# Altium PCB 400432.PcbDoc (part 4 of 6)
Units mil, origin at the board's own origin, x right, y up, seen from the top; angles counter-clockwise.
Board outline 5375 x 2500 mil, 4 copper layers (Top Layer, Mid-Layer 1, Mid-Layer 2, Bottom Layer), stack 59.252 mil thick; 366 components, 253 nets, 1494 pads, 1929 vias.
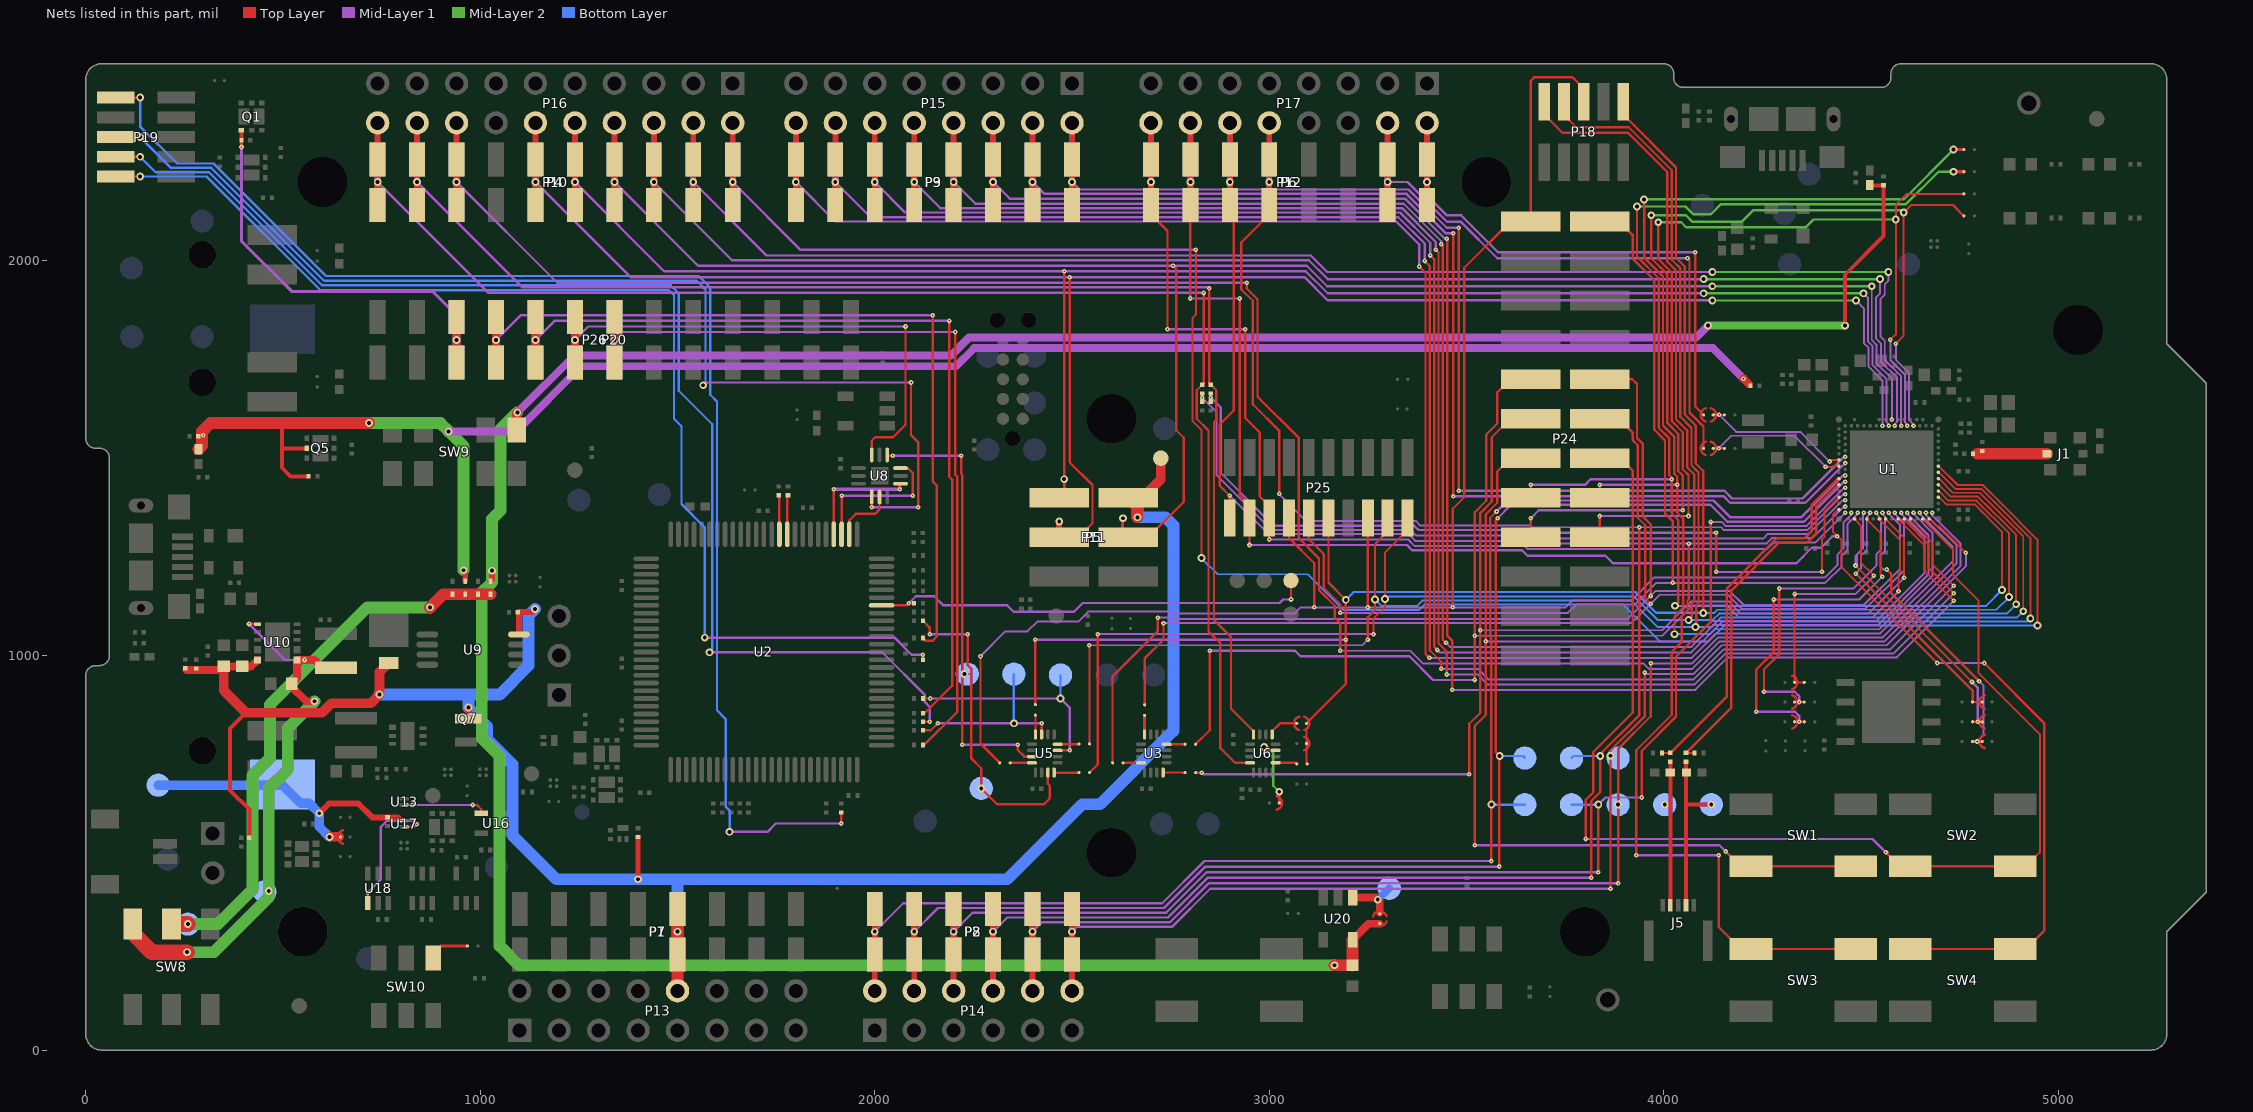
[diagram p6: the nets of this part, all layers, seen from the top]

## Via types
v1: diameter 19.68, hole 9.84, Top Layer to Bottom Layer, tented both sides, 1445 vias
v2: diameter 11.81, hole 3.94, Top Layer to Mid-Layer 1, tented top, 456 vias
v3: diameter 24, hole 12, Top Layer to Bottom Layer, tented both sides, 28 vias

## Nets (pads, with @x,y where several pads share a name; then routed paths per layer and width w, separated by ;. In a path a pad name is that pad's centre, name@x,y a point inside that pad or via, vN(x,y) a via of type N, cw(c..) or ccw(c..) an arc to the next point about the centre after c; other vN are vias at no path point) (continued)
NetSB42_1: SB42.1 U6.1 | length 54.7
  Top Layer w6: U6.1@3016.15,728 3063.03,728 3067.03,728 SB42.1@3069.7,725.33
NetSB45_1: SB45.1 U6.5 | length 79
  Top Layer w6: U6.5@3007.29,799.85 3007.29,808.29 3027,828 3062.83,828 SB45.1@3069.7,828
NetSB46_1: SB46.1 U6.3 | length 195.2
  Top Layer w6: v1(2987,768) 2995.5,759.5 U6.3@3016.15,759.5 ; SB46.1@3025.3,626 3025.3,639.9 v1(3025.3,654.7)
  Mid-Layer 2 w6: v1(2987,768) 2995,768 3000,763 3010,753 3010,670 v1(3025.3,654.7)
NetSB50_2: SB50.2 U3.16 | length 55.9
  Top Layer w6: U3.16@2730.96,703.39 2786.31,703.39 SB50.2@2786.7,703
NetSB51_2: SB51.2 U3.4 | length 47
  Top Layer w6: U3.4@2739.81,775.24 2740.06,775 SB51.2@2786.7,775
NetSB52_2: SB52.2 U3.8 | length 46.9
  Top Layer w8: U3.8@2683.71,799.85 SB52.2@2683.71,846.71
NetSB53_2: SB53.2 U3.12 | length 45.6
  Top Layer w6: SB53.2@2629.3,728 U3.12@2674.85,728
NetSB54_2: SB54.2 U5.16 | length 63.2
  Top Layer w6: U5.16@2454.62,703.39 2455.02,703 SB54.2@2517.7,703
NetSB55_2: SB55.2 U5.4 | length 54.5
  Top Layer w6: U5.4@2463.48,775.24 2516.94,775.24 SB55.2@2517.7,776
NetSB56_2: SB56.2 U5.8 | length 49
  Top Layer w6: SB56.2@2407,848.7 2407.38,848.32 U5.8@2407.38,799.85
NetSB57_2: SB57.2 U5.12 | length 55.2
  Top Layer w6: SB57.2@2343.3,728 U5.12@2398.52,728
NetSB58_2: SB58.2 SW10.1 | length 106.2
  Top Layer w8: SW10.1@880.9,232.83 880.9,243.9 901,264 SB58.2@967.7,264
NetU13_B2: U13.B2 U16.4 | length 211.2
  Top Layer w6: U13.B2@814.87,621.13 v2(828.13,621.13) ; v2(981,621.13) 991.87,621.13 1002.6,610.4 U16.4@1002.6,600.59 U16.4@993.41,600.59
  Mid-Layer 1 w6: v2(828.13,621.13) v2(981,621.13)
NFC1: C43.1 J5.2 R43.1 TP17.1 | length 378.9
  Top Layer w9.84: v1(4002.22,622) 4014.68,622 4016.68,620 ; J5.2@4016.68,367.25 4016.68,620 ; R43.1@4016.63,730.83 4016.68,620
NFC2: C44.2 J5.4 R46.1 TP18.1 | length 428.9
  Top Layer w9.84: J5.4@4056.05,367.25 4056.05,620 ; R46.1@4056.05,731 4056.05,620 ; v1(4120.33,622) 4058.05,622 4056.05,620
P0.00: P6.1 P12.1 P17.2 SB3.2 | length 1516.9
  Top Layer w6: v2(4079.7,2021.7) 4079.7,1631 4094.84,1615.86 SB3.2@4100.7,1610
  Top Layer w15: P6.1@3400,2142.32 v1(3400,2200) P6.1@3400,2257.68 P17.2@3400,2350
  Mid-Layer 1 w6: v1(3400,2200) 3400,2166 3450.5,2115.5 3486.5,2115.5 3580.3,2021.7 v2(4079.7,2021.7)
  Bottom Layer w15: P12.1@3400,2142.32 v1(3400,2200) P12.1@3400,2257.68
P0.00/XL1: SB1.2 SB3.1 U1.N1 | length 383.1
  Top Layer w4.92: SB3.1@4125.3,1610 4132.17,1610 v2(4140,1610) SB1.2@4153.7,1610 ; v2(4421,1491.62) 4425,1495.62 U1.N1@4444,1495.62
  Mid-Layer 1 w4.92: v2(4140,1610) 4183,1567 4345.62,1567 v2(4421,1491.62)
P0.01: P6.2 P12.2 P17.4 SB4.2 | length 1661.8
  Top Layer w6: v2(4060,2007) 4065,2002 4065,1616 4100.7,1580.3 4100.7,1538.9 SB4.2@4100.7,1525
  Top Layer w15: P6.2@3300,2142.32 v1(3300,2200) P6.2@3300,2257.68 P17.4@3300,2350
  Mid-Layer 1 w6: v1(3300,2200) 3350,2200 3451,2099 3486,2099 3578,2007 v2(4060,2007)
  Bottom Layer w15: P12.2@3300,2142.32 v1(3300,2200) P12.2@3300,2257.68
P0.01/XL2: SB2.2 SB4.1 U1.R1 | length 380.2
  Top Layer w4.92: v2(4410,1478) 4427,1478 4428.87,1479.87 U1.R1@4444,1479.87
  Top Layer w6: SB4.1@4125.3,1525 4132.17,1525 v2(4139,1525) SB2.2@4153.7,1525
  Mid-Layer 1 w4.92: v2(4139,1525) 4171,1557 4331,1557 v2(4410,1478)
P0.02/NFC1: R42.2 R43.2 U1.W1 | length 1124.4
  Top Layer w5: R42.2@3995.22,753 R43.2@4016.35,753
  Top Layer w6.5: R43.2@4016.35,753 R43.2@4016.63,753.28 4159.58,896.23 4159.58,1169.73 4287.35,1297.49 4357.68,1297.49 ; 4357.68,1297.49 4374.71,1314.52 ; 4357.68,1297.49 4374.71,1314.52 ; 4374.71,1314.52 4374.71,1381.55 ; 4374.71,1314.52 4374.71,1381.55 ; 4374.71,1381.55 U1.W1@4441.53,1448.38 ; 4374.71,1381.55 U1.W1@4441.53,1448.38 ; U1.W1@4441.53,1448.38 U1.W1@4444,1448.38 U1.W1@4441.53,1448.38
P0.03/NFC2: R45.2 R46.2 U1.AA1 | length 1085.4
  Top Layer w6: R46.2@4056.37,753.28 4056.64,753 R45.2@4077.78,753
  Top Layer w6.5: R46.2@4056.37,753.28 4171,867.91 4171,1165 4292.08,1286.08 4362.41,1286.08 ; 4362.41,1286.08 4386.13,1309.8 ; 4362.41,1286.08 4386.13,1309.8 ; 4386.13,1309.8 4386.13,1376.82 ; 4386.13,1309.8 4386.13,1376.82 ; 4386.13,1376.82 U1.AA1@4441.93,1432.63 ; 4386.13,1376.82 U1.AA1@4441.93,1432.63 ; U1.AA1@4441.93,1432.63 U1.AA1@4444,1432.63 U1.AA1@4441.93,1432.63
P0.04/AIN0: P2.1 P8.1 P14.2 TP42.1 U1.V2 | length 3919.4
  Top Layer w6: v2(3563,479) v1(3563,622) 3563,1043 3560,1046 3560,1349 v2(3576,1365)
  Top Layer w15: P14.2@2000,150 P2.1@2000,242.32 v1(2000,300) P2.1@2000,357.68
  Mid-Layer 1 w6: v1(2000,300) 2072,372 2728.46,372 2835.46,479 v2(3563,479) ; v2(3576,1365) 3604,1393 4126,1393 4169,1350 4348,1350 4454.25,1456.25 v2(4459.75,1456.25)
  Bottom Layer w6: v1(3563,622) TP42.1@3647.89,622
  Bottom Layer w15: P8.1@2000,242.32 v1(2000,300) P8.1@2000,381
P0.05/AIN1: P2.2 P8.2 P14.4 TP43.1 U1.Y2 | length 3786.4
  Top Layer w6: v2(3579,1348) 3574,1343 3574,755 v1(3583.89,745.11) ; v2(3583,465) v1@3583,744.22
  Top Layer w15: P14.4@2100,150 P2.2@2100,242.32 v1(2100,300) P2.2@2100,357.68
  Mid-Layer 1 w6: v1(2100,300) 2160,360 2733.43,360 2838.43,465 v2(3583,465) ; v2@3576,1348 v2(3579,1348) 3613,1382 4118,1382 4161,1339 4355,1339 4456.5,1440.5 v2(4459.75,1440.5)
  Bottom Layer w6: v1(3583.89,745.11) 3642.89,745.11 TP43.1@3647.89,740.11
  Bottom Layer w15: P8.2@2100,242.32 v1(2100,300) P8.2@2100,357.68
P0.06/AIN2: P2.3 P8.3 P14.6 TP44.1 U1.AB2 | length 3532.4
  Top Layer w6: v2(3834,451) v1(3834,622) ; v2(3944,640) 3944,758 4031,845 4031,997 4118.56,1084.56 v2(4118.56,1338.44)
  Top Layer w15: P14.6@2200,150 P2.3@2200,242.32 v1(2200,300) P2.3@2200,357.68
  Mid-Layer 1 w4.92: v2(4118.56,1338.44) 4146.56,1338.44 4157,1328 4361,1328 4457.76,1424.76 v2(4459.75,1424.76)
  Mid-Layer 1 w6: v1(2200,300) 2248,348 2738.4,348 2841.4,451 v2(3834,451) ; v1(3834,622) 3852,640 v2(3944,640)
  Bottom Layer w6: TP44.1@3766,622 v1(3834,622)
  Bottom Layer w15: P8.3@2200,242.32 v1(2200,300) P8.3@2200,357.68
P0.07/AIN3: P2.4 P6.5 P8.4 P12.5 P14.8 P17.10 TP45.1 U1.AD2 | length 5616
  Top Layer w6: P6.5@3000,2150 P6.5@3000,2142.32 3000,2118 2929,2047 2929,1928 2958,1899 2958,1637 3025,1570 v2(3025,1410) ; v2(3816,437) 3816,631 3838.89,653.89 v1(3838.89,745.11) ; v1@3836.5,747.5 3938,849 v2(3938,1325)
  Top Layer w15: P14.8@2300,150 P2.4@2300,242.32 v1(2300,300) P2.4@2300,357.68 ; P6.5@3000,2150 v1(3000,2200) P6.5@3000,2257.68 P17.10@3000,2350
  Mid-Layer 1 w4.92: v2(3025,1410) 3025,1409 3093,1341 3371,1341 3383,1329 3662.5,1329 3666.5,1325 v2(3938,1325) 4145.17,1325 4152.17,1318 4363.87,1318 4454.88,1409.01 4416,1370.13
  Mid-Layer 1 w6: v1(2300,300) 2336,336 2743.37,336 2844.37,437 v2(3816,437)
  Bottom Layer w6: TP45.1@3766,740.11 3771,745.11 v1(3838.89,745.11)
  Bottom Layer w15: P8.4@2300,242.32 v1(2300,300) P8.4@2300,380 ; P12.5@3000,2142.32 v1(3000,2200) P12.5@3000,2257.68
  other v2: 4459.75,1409.01
P0.08/TRACEDATA3: P6.6 P12.6 P17.12 P25.20 SW3.2 U1.AH2 | length 4402.2
  Top Layer w6: P25.20@2900,1348.23 v2(2900,1405) 2874,1431 2874,1585 2910,1621 2910,2144 P6.6@2900,2154 ; v2(3930,494) 3930,760 4020,850 4020,1009 4045,1034 4045,1099 4060,1114 4060,1139 4063,1142 v2(4063,1283.61) ; v2(4139,494) 4139,312 4195.03,255.97 SW3.2@4220.7,255.97 SW3.2@4486.45,255.97
  Top Layer w15: P6.6@2900,2154 v1(2900,2200) P6.6@2900,2257.68 P17.12@2900,2350
  Mid-Layer 1 w4.92: v2(2900,1405) 2997,1308 3352,1308 3369.39,1290.61 3648,1290.61 3655,1283.61 v2(4063,1283.61) 4259.61,1283.61 4273.49,1297.49 4375.79,1297.49 4455.81,1377.51 v2(4459.75,1377.51)
  Mid-Layer 1 w6: v2(3930,494) v2(4139,494)
  Bottom Layer w15: P12.6@2900,2142.32 v1(2900,2200) P12.6@2900,2257.68
P0.09/TRACEDATA2: P6.7 P12.7 P17.14 P25.18 SW4.2 U1.AJ1 | length 4628.6
  Top Layer w4.92: v2@2950,1282 P25.18@2950,1348.23 ; v2(4693,981) 4450.4,1223.6 4450.4,1291.6 v2(4440,1302) 4428.25,1313.75 4428.25,1357.11 ; 4428.25,1357.11 U1.AJ1@4440.78,1369.64 ; 4428.25,1357.11 U1.AJ1@4440.78,1369.64 ; U1.AJ1@4440.78,1369.64 U1.AJ1@4444,1369.64 U1.AJ1@4440.78,1369.64
  Top Layer w6: v2(2800,1905) P6.7@2800,2142.32 ; v2(2925,1905) 2925,1407 2950,1382 P25.18@2950,1348.23 ; SW4.2@4599.03,255.97 SW4.2@4624.7,255.97 SW4.2@4890.45,255.97 4917.97,255.97 4964,302 4964,829 v2(4812,981)
  Top Layer w15: P6.7@2800,2142.32 v1(2800,2200) P6.7@2800,2257.68 P17.14@2800,2350
  Mid-Layer 1 w4.92: v2(4693,981) v2(4812,981)
  Mid-Layer 1 w6: v2(2800,1905) v2(2925,1905) ; v2(2950,1280) 3349,1280 3362.5,1266.5 3641,1266.5 3654.5,1253 3852,1253 3871,1234 4336,1234 4375,1273 4398,1273 4427,1302 v2(4440,1302)
  Bottom Layer w15: P12.7@2800,2142.32 v1(2800,2200) P12.7@2800,2257.68
P0.10/TRACEDATA1: P6.8 P12.8 P17.16 P25.16 U1.AK2 | length 2918.7
  Top Layer w6: P6.8@2700,2142.32 2700,2118 2742,2076 v2(2742,1827) ; v2(2939,1827) 2939,1602 2976,1565 2976,1403 3000,1379 P25.16@3000,1348.23 v2(3000,1294)
  Top Layer w15: P6.8@2700,2142.32 v1(2700,2200) P6.8@2700,2257.68 P17.16@2700,2350
  Mid-Layer 1 w4.92: v2(3000,1294) 3352,1294 3369,1277 3647,1277 3654,1270 4262,1270 4278.08,1286.08 4384.06,1286.08 v2(4459.75,1361.76)
  Mid-Layer 1 w6: v2(2742,1827) v2(2939,1827)
  Bottom Layer w15: P12.8@2700,2142.32 v1(2700,2200) P12.8@2700,2257.68
P0.11/TRACEDATA0: P18.6 P24.1 P25.6 P25.14 SB57.1 U1.AK4 | length 4867.3
  Top Layer w6: v2(2268,998) 2268,776.7 2310.84,733.86 SB57.1@2316.7,728 ; P25.14@3050,1348.23 3050,1298 3114,1234 v2(3114,1122) ; v2(3250,1122) P25.6@3250,1348.23 ; v2(3465,1122) 3465,1372 3494,1401 3494,1983 3611,2100 P24.1@3712,2100 ; P24.1@3662.5,2100 3662.5,2456.5 3672,2466 3768,2466 3797,2437 P18.6@3797,2403.77
  Mid-Layer 1 w4.92: v2(2268,998) 2331,1061 2387,1061 2412,1086 2516,1086 2541,1111 2755,1111 2759,1107 3065,1107 3080,1122 v2(3114,1122) v2(3250,1122) v2(3465,1122) 3751,1122 3768,1139 3917,1139 3976,1198 4409,1198 4440.56,1229.56 4440.56,1256.58 4455.32,1271.34 4455.32,1336.72 4475.5,1356.89 v2(4475.5,1361.76)
P0.12/TRACECLK: P24.2 P25.12 U1.AK6 | length 2767.5
  Top Layer w6: P25.12@3100,1348.23 3100,1295 3138,1257 3138,1171 3180,1129 v2(3180,1108) ; P24.2@3837.5,2100 3887,2100 3921,2066 3921,2006 3976,1951 3976,1572 4003,1545 4003,1360 4023,1340 v2(4023,1184)
  Mid-Layer 1 w4.92: v2(3180,1108) 3757,1108 3778,1129 3926,1129 3981,1184 v2(4023,1184) 4409,1184 4450.4,1225.4 4450.4,1252.5 4465.16,1267.27 4465.16,1332.64 4491.24,1358.72 v2(4491.24,1361.76)
P0.13/QSPI0: SB12.1 SB22.1 U1.AL5 | length 646.6
  Top Layer w4.92: SB22.1@4331.6,932 4331.6,945.9 v2@4331.6,1156 ; 4338.47,932 SB12.1@4356,932 ; v2@4531.5,1201 4531.5,1203 4499.61,1234.89 4499.61,1328.82 ; 4493.72,1334.71 4483.37,1345.06 4493.72,1334.71 ; 4493.72,1334.71 4499.61,1328.82 ; 4493.72,1334.71 4499.61,1328.82
  Mid-Layer 1 w4.92: v2(4332,1156) 4486.5,1156 v2@4531.5,1201
  other v2: 4532.5,1202
P0.14/QSPI1: SB14.1 SB24.1 U1.AK8 | length 833.2
  Top Layer w4.92: v2(4486,1228) v2(4781,933)
  Top Layer w6: SB14.1@4782.6,832 v2(4796,832) 4800.13,832 SB24.1@4807,832
  Mid-Layer 1 w4.92: v2(4486,1228) 4486,1252.81 4504.53,1271.34 ; v2@4489.77,1226.92 4489.77,1256.58 4504.53,1271.34 ; 4504.53,1271.34 v2@4504.53,1359.3 ; 4504.53,1271.34 v2@4504.53,1359.3 ; v2@4504.53,1359.3 v2(4506.99,1361.76) v2@4504.53,1359.3
  Mid-Layer 1 w6: v2(4781,933) 4796,918 v2(4796,832)
P0.15/QSPI2: SB15.1 SB25.1 U1.AK10 | length 786.2
  Top Layer w6: v2(4486.61,1207.61) 4782.6,911.62 SB15.1@4782.6,882 4800.13,882 SB25.1@4807,882
  Mid-Layer 1 w4.92: v2(4486.61,1207.61) 4499.61,1220.61 4499.61,1252.5 ; 4499.61,1226.92 4499.61,1252.5 ; 4499.61,1252.5 4514.38,1267.27 ; 4499.61,1252.5 4514.38,1267.27 ; 4514.38,1267.27 4514.38,1350.36 ; 4514.38,1267.27 4514.38,1350.36 ; 4514.38,1350.36 4520.28,1356.26 ; 4514.38,1350.36 4520.28,1356.26 ; 4520.28,1356.26 v2@4520.28,1359.3 ; 4520.28,1356.26 v2@4520.28,1359.3 ; v2@4520.28,1359.3 v2(4522.74,1361.76) v2@4520.28,1359.3
P0.16/QSPI3: SB10.1 SB20.1 U1.AL9 | length 1051.6
  Top Layer w4.92: v2(4554,1200) 4548.82,1205.18 4548.82,1226.92 ; 4548.82,1226.92 4548.82,1311.1 ; 4548.82,1226.92 4548.82,1311.1 ; 4548.82,1311.1 4514.87,1345.06 4548.82,1311.1
  Top Layer w5.91: U1.AL9@4514.87,1344.05 U1.AL9@4514.87,1345.06 ; U1.AL9@4514.87,1345.06 U1.AL9@4514.87,1346.02 U1.AL9@4514.87,1345.06
  Top Layer w6: v2(4234,857) 4234,964 4279,1009 v2(4279,1142) ; SB20.1@4331.6,832 4338.47,832 v2(4343,832) SB10.1@4356,832
  Mid-Layer 1 w4.92: v2(4279,1142) 4496,1142 v2(4554,1200)
  Mid-Layer 1 w6: v2(4234,857) 4333,857 4343,847 v2(4343,832)
P0.17/QSPI_CLK: SB11.1 SB21.1 U1.AK12 | length 968
  Top Layer w6: v2(4254,908) 4254,965 4293,1004 v2(4293,1170) ; SB21.1@4331.6,882 4338.47,882 v2(4343,882) SB11.1@4356,882
  Mid-Layer 1 w4.92: v2(4293,1170) 4481.08,1170 4538.98,1227.91 ; v2@4538.49,1358.72 v2(4538.49,1361.76) v2@4538.49,1358.72 ; v2@4538.49,1358.72 4550.3,1346.91 ; v2@4538.49,1358.72 4550.3,1346.91 ; 4538.98,1227.91 4538.98,1256.58 ; 4538.98,1227.91 4538.98,1256.58 ; 4538.98,1256.58 4550.3,1267.9 4550.3,1346.91 ; 4538.98,1256.58 4550.3,1267.9 4550.3,1346.91
  Mid-Layer 1 w6: v2(4254,908) 4332,908 4343,897 v2(4343,882)
P0.18/QSPI_CS: SB13.1 SB23.1 U1.AK14 | length 873.4
  Top Layer w4.92: SB13.1@4782.6,782 v2(4794,782) 4800.13,782 SB23.1@4807,782
  Top Layer w6: v2(4565,1218) 4576,1207 4576,1158 v2(4799,935)
  Mid-Layer 1 w4.92: 4548.82,1226.92 4548.82,1252.5 ; v2(4565,1218) 4556,1218 4548.82,1225.18 4548.82,1252.5 ; v2(4794,782) 4810,798 4810,924 v2(4799,935) ; 4548.82,1252.5 4560.14,1263.82 ; 4548.82,1252.5 4560.14,1263.82 ; v2@4554.24,1358.72 v2(4554.24,1361.76) v2@4554.24,1358.72 ; v2@4554.24,1358.72 4560.14,1352.82 ; v2@4554.24,1358.72 4560.14,1352.82 ; 4560.14,1263.82 4560.14,1352.82 ; 4560.14,1263.82 4560.14,1352.82
P0.19: P24.9 SB51.1 U1.AL13 | length 3232.5
  Top Layer w4.92: v2@4595,1164 4595,1206.98 4599.02,1211 4599.02,1226.92 4599.02,1292.4 ; 4599.02,1292.4 4546.36,1345.06 4599.02,1292.4
  Top Layer w5.91: U1.AL13@4546.36,1344.36 4546.36,1345.06 U1.AL13@4546.36,1346.02
  Top Layer w6: SB51.1@2813.3,775 2849,810.7 v2(2849,1012) ; v2(3521,938) v2(3521,1050) 3521,1363 3550,1392 3550,1560 3578,1588 3578,1667 3611,1700 P24.9@3662.5,1700
  Mid-Layer 1 w4.92: v2(3521,1050) 3996,1050 4073,1127 4160,1127 4190,1097 4529,1097 v2(4595,1163) v2@4595,1164
  Mid-Layer 1 w6: v2(2849,1012) 3065,1012 3079,998 3355,998 3415,938 v2(3521,938)
P0.20: P24.10 SB53.1 U1.AK16 | length 3185.8
  Top Layer w6: SB53.1@2602.7,728 2602.7,946.7 2717,1061 v2(2717,1096) ; P24.10@3837.5,1700 3920,1700 3932,1688 3932,1551 3947,1536 3947,1352 3967,1332 v2(3967,1151)
  Mid-Layer 1 w4.92: v2(2717,1096) 2752,1096 2755,1093 3909,1093 v2(3967,1151) 3980,1164 4166,1164 4202,1128 4507,1128 4599.02,1220.02 4599.02,1329.68 4569.98,1358.72 v2(4569.98,1361.76)
P0.21: P24.11 SB50.1 U1.AL15 | length 3075.3
  Top Layer w4.92: U1.AL15@4562.11,1345.06 U1.AL15@4562.11,1346.02
  Top Layer w4.94: v2(4608.87,1196.87) 4608.87,1298.28 ; 4608.87,1298.28 4562.11,1345.05 4608.87,1298.28
  Top Layer w6: SB50.1@2813.3,703 v2(2829,703) ; v2@3507,703 3507,827 3535,855 v2(3535,1064) 3535,1361 3564,1390 3564,1553 3611,1600 P24.11@3662.5,1600
  Mid-Layer 1 w4.92: v2(3535,1064) 3996,1064 4069,1137 4164,1137 4194,1107 4519,1107 v2(4608.87,1196.87)
  Mid-Layer 1 w6: v2(2829,703) 2833,699 v2(3507,699)
P0.22: P24.12 SB52.1 U1.AK18 | length 2932.4
  Top Layer w6: SB52.1@2684,875 2684,992 2732,1040 v2(2732,1082) ; P24.12@3837.5,1600 3886,1600 3921,1565 3921,1546 3934,1533 3934,1349 3953,1330 3953,1145 v2(3967,1131)
  Mid-Layer 1 w4.92: v2(2732,1082) 3918,1082 v2(3967,1131) 3990,1154 4162,1154 4198,1118 4511,1118 4608.86,1215.86 4608.86,1335.59 ; v2@4585.73,1358.72 v2(4585.73,1361.76) ; v2@4585.73,1358.72 4608.86,1335.59 ; v2@4585.73,1358.72 4608.86,1335.59 ; v2(4585.73,1361.76) 4584.26,1360.29 v2(4585.73,1361.76)
P0.23: P24.13 SW1.2 U1.AK20 | length 3603.5
  Top Layer w6: v2(3521,519) 3521,822 3549,850 v2(3549,1036) 3549,1358 3578,1387 3578,1466 3612,1500 P24.13@3662.5,1500 ; v2(4157,503) 4194.26,465.74 SW1.2@4220.7,465.74 SW1.2@4486.45,465.74 SW1.2@4513.18,465.74
  Mid-Layer 1 w4.92: v2(3549,1036) 4070,1036 4121,1087 4538,1087 4661.03,1210.03 4661.03,1299.17 ; 4661.03,1226.92 4661.03,1299.17 ; v2@4601.48,1358.72 4661.03,1299.17 ; v2@4601.48,1358.72 v2(4601.48,1361.76) v2@4601.48,1358.72 ; v2@4601.48,1358.72 4661.03,1299.17
  Mid-Layer 1 w6: v2(3521,519) 4141,519 v2(4157,503)
P0.24: P24.14 SW2.2 U1.AL27 | length 3391.9
  Top Layer w4.92: 4732.39,1226.92 4732.39,1269.27 4656.6,1345.06 4732.52,1269.14 4732.52,1204.48 4798,1139 4798,955 4953,800 4953,501 4917.74,465.74 SW2.2@4890.45,465.74
  Top Layer w5.91: U1.AL27@4656.6,1344.36 4656.6,1345.06 U1.AL27@4656.6,1346.02
  Top Layer w6: v2(3802,535) 3802,634 3821,653 3821,755 3921,855 3921,1469 3890,1500 P24.14@3837.5,1500 ; v2(4563,501) 4598.26,465.74 SW2.2@4624.7,465.74 SW2.2@4890.45,465.74
  Mid-Layer 1 w6: v2@3802,535 3893,535 4529,535 v2(4563,501)
P0.25/AIN4: P2.5 P8.5 P14.10 TP46.1 U1.AK28 | length 3622.5
  Top Layer w6: v2(3884,423) 3884.11,423.11 v1(3884.11,622) 3884.11,763.11 3967,846 v2(3967,980)
  Top Layer w15: P14.10@2400,150 P2.5@2400,242.32 v1(2400,300) P2.5@2400,357.68
  Mid-Layer 1 w4.92: v2(3967,980) 4072,980 4138,1046 4555,1046 4742.23,1233.23 4742.23,1279.14 ; v2(4664.47,1361.76) v2@4664.47,1356.89 ; v2@4664.47,1356.89 4742.23,1279.14 ; v2@4664.47,1356.89 4742.23,1279.14
  Mid-Layer 1 w6: v1(2400,300) 2424,324 2748.34,324 2847.34,423 v2(3884,423)
  Bottom Layer w15: P8.5@2400,242.32 v1(2400,300) P8.5@2400,380
P0.26/AIN5: P2.6 P8.6 P14.12 TP47.1 U1.AL29 | length 3409.7
  Top Layer w4.92: v2(4765.49,1260) 4697.06,1328.43 4691.06,1328.43 U1.AL29@4674.43,1345.06 ; U1.AL29@4674.43,1345.06 4672.35,1345.06 U1.AL29@4674.43,1345.06
  Top Layer w6: v2(3865,409) v1(3865,746) 3865,760 3951.89,846.89 v2(3951.89,957)
  Top Layer w15: P14.12@2500,150 P2.6@2500,242.32 v1(2500,300) P2.6@2500,357.68
  Mid-Layer 1 w4.92: v2(3951.89,957) 3955.89,953 4074,953 4147,1026 4565,1026 4765.49,1226.49 v2(4765.49,1260)
  Mid-Layer 1 w6: v1(2500,300) 2512,312 2753.31,312 2850.31,409 v2(3865,409)
  Bottom Layer w15: P8.6@2500,242.32 v1(2500,300) P8.6@2500,357.68
P0.27/AIN6: P4.8 P10.8 P16.16 U1.AK30 | length 5370.6
  Top Layer w6: P4.8@940,2120 P4.8@940,2142.32 ; v2(2943,1945) 2943,1930 2970,1903 2970,1656 3075,1551 3075,1297 3126,1246 3126,1166 3166,1126 3166,1096 3180,1082 v2(3180,1012)
  Top Layer w15: P4.8@940,2142.32 v1(940,2200) P4.8@940,2257.68 P16.16@940,2350
  Mid-Layer 1 w4.92: v2(3180,1012) 3357,1012 3389,980 3948,980 3962,966 4072,966 4142,1036 4560,1036 4752.07,1228.07 4752.07,1283.21 4680.22,1355.06 v2(4680.22,1361.76)
  Mid-Layer 1 w6: v1(940,2200) 1195,1945 v2(2943,1945)
  Bottom Layer w15: P10.8@940,2120 v1(940,2200) P10.8@940,2257.68
P0.28/AIN7: P24.15 SB5.1 U1.AE31 | length 3631.1
  Top Layer w4.92: U1.AE31@4695.97,1401.13 4698.19,1401.13 4716.4,1382.92 ; 4811.13,1359.8 4788,1382.92 ; v1(4857,1166) 4857,1313.92 4788,1382.92 ; 4716.4,1382.92 4788,1382.92 ; 4716.4,1382.92 4788,1382.92
  Top Layer w6: P24.15@3662.5,1400 v2(3662.5,1432.5) ; v1@3933,2138 3932,2137 3932,2011 3987,1956 3987,1577 4014,1550 4014,1457 4020,1451 v2(4020,1447) 4020,1360 4037,1343 4037,1135 v1(4028,1126)